# Allegro board IMC-IO_A-IN_A1.brd (continued)
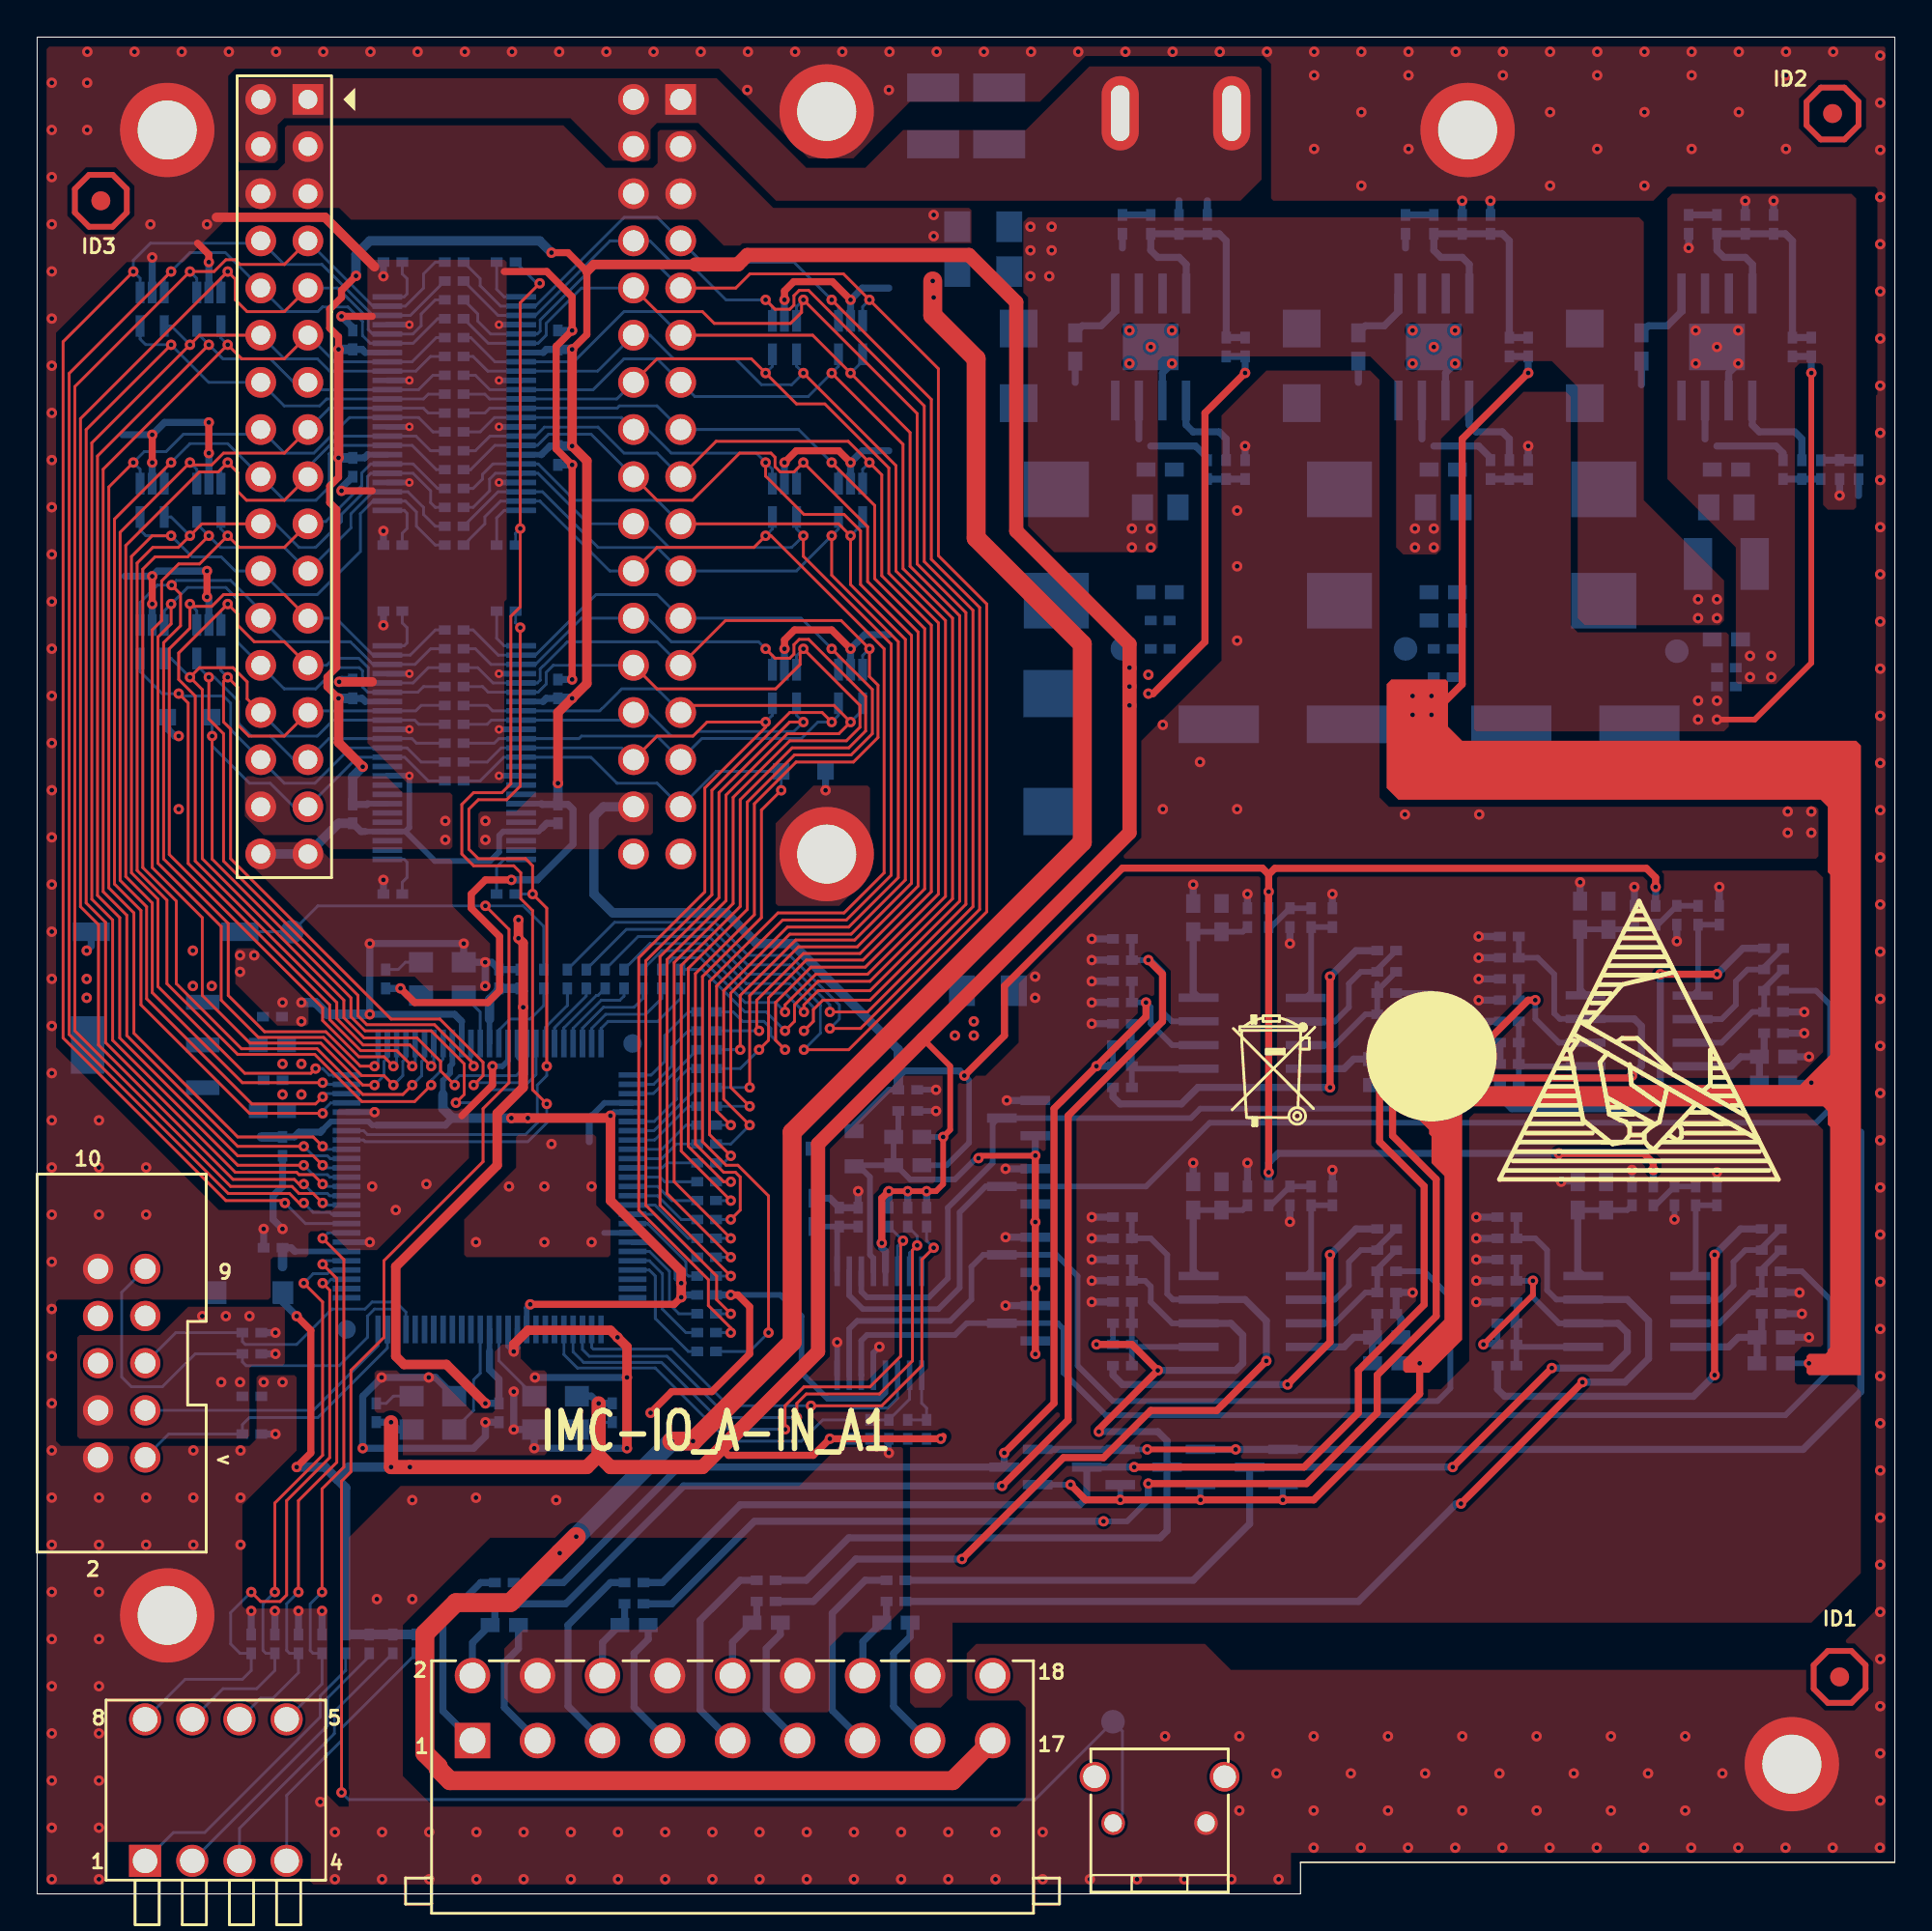
[diagram p0: board, top side]
## Footprints (pads in the part's own frame, mm; a bottom-side part is the same pattern mirrored in y, then rotated)
AEC8_5X8_5-H10_5
  rect 4.318x2.032 smd: 1(-3.45,0) 2(3.45,0)
BUTTON_SPST_SMT
  rect 1.999x1.001 smd: 1(-4.201,0) 2(3.8,0)
C0402
  rect 0.64x0.51 smd: 1(-0.508,0) 2(0.508,0)
C0603
  rect 1.016x0.762 smd: 1(-0.762,0) 2(0.762,0)
C0805
  rect 1.143x1.397 smd: 1(-0.953,0) 2(0.953,0)
C1210
  rect 1.524x2.794 smd: 1(-1.524,0) 2(1.524,0)
CAP_CASE_D
  rect 2.54x3.556 smd: 1(3.175,0) 2(-3.175,0)
CON18-3_5-34_3X13_6-H15_2
  rect 1.905x1.905 hole 1.397: 1(-14,-1.905)
  round 1.905 hole 1.397: 2(-14,1.595) 3(-10.5,-1.905) 4(-10.5,1.595) 5(-7,-1.905) 6(-7,1.595) 7(-3.5,-1.905) 8(-3.5,1.595) 9(0,-1.905) 10(0,1.595) 11(3.5,-1.905) 12(3.5,1.595) 13(7,-1.905) 14(7,1.595) 15(10.5,-1.905) 16(10.5,1.595) 17(14,-1.905) 18(14,1.595)
CON_2D54_2X5_TH_BOX
  round 1.626 hole 1.118: 1(5.08,1.27) 2(5.08,-1.27) 3(2.54,1.27) 4(2.54,-1.27) 5(0,1.27) 6(0,-1.27) 7(-2.54,1.27) 8(-2.54,-1.27) 9(-5.08,1.27) 10(-5.08,-1.27)
CON_BUTTON_SPST_TH_90
  round 1.27 hole 0.94: 1(-2.5,0) 2(2.5,0)
  round 1.6 hole 1.219: 3(3.5,2.5) 4(-3.5,2.5)
FEMALE_HEADER_17X2P_254MM
  rect 1.651x1.651 hole 1.016: 1(0,0)
  round 1.651 hole 1.016: 2(-2.54,0) 3(0,-2.54) 4(-2.54,-2.54) 5(0,-5.08) 6(-2.54,-5.08) 7(0,-7.62) 8(-2.54,-7.62) 9(0,-10.16) 10(-2.54,-10.16) 11(0,-12.7) 12(-2.54,-12.7) 13(0,-15.24) 14(-2.54,-15.24) 15(0,-17.78) 16(-2.54,-17.78) 17(0,-20.32) 18(-2.54,-20.32) 19(0,-22.86) 20(-2.54,-22.86) 21(0,-25.4) 22(-2.54,-25.4) 23(0,-27.94) 24(-2.54,-27.94) 25(0,-30.48) 26(-2.54,-30.48) 27(0,-33.02) 28(-2.54,-33.02) 29(0,-35.56) 30(-2.54,-35.56) 31(0,-38.1) 32(-2.54,-38.1) 33(0,-40.64) 34(-2.54,-40.64)
HD2X17-2_54-50_8X9_1MM-S
  rect 1.651x1.651 hole 1.143: 1(-20.32,-1.27)
  round 1.651 hole 1.143: 2(-20.32,1.27) 3(-17.78,-1.27) 4(-17.78,1.27) 5(-15.24,-1.27) 6(-15.24,1.27) 7(-12.7,-1.27) 8(-12.7,1.27) 9(-10.16,-1.27) 10(-10.16,1.27) 11(-7.62,-1.27) 12(-7.62,1.27) 13(-5.08,-1.27) 14(-5.08,1.27) 15(-2.54,-1.27) 16(-2.54,1.27) 17(0,-1.27) 18(0,1.27) 19(2.54,-1.27) 20(2.54,1.27) 21(5.08,-1.27) 22(5.08,1.27) 23(7.62,-1.27) 24(7.62,1.27) 25(10.16,-1.27) 26(10.16,1.27) 27(12.7,-1.27) 28(12.7,1.27) 29(15.24,-1.27) 30(15.24,1.27) 31(17.78,-1.27) 32(17.78,1.27) 33(20.32,-1.27) 34(20.32,1.27)
L7D3X6D6X2D8MM
  rect 3x3.5 smd: 1(-3,0) 2(3,0)
L0603
  rect 1.016x0.762 smd: 1(-0.762,0) 2(0.762,0)
METAL_DOME
  oval 2x4 hole 1x3: 1(0,0) 2(6,0)
MHOLE_C200D125
  round 5.08 hole 3.175: 1(0,0)
QFP_100P_50_1600X1600X160
  round 1 smd: (-7.7,-7.7) (7.7,7.7)
  rect 1.5x0.3 smd: 1(-7.7,6) 2(-7.7,5.5) 3(-7.7,5) 4(-7.7,4.5) 5(-7.7,4) 6(-7.7,3.5) 7(-7.7,3) 8(-7.7,2.5) 9(-7.7,2) 10(-7.7,1.5) 11(-7.7,1) 12(-7.7,0.5) 13(-7.7,0) 14(-7.7,-0.5) 15(-7.7,-1) 16(-7.7,-1.5) 17(-7.7,-2) 18(-7.7,-2.5) 19(-7.7,-3) 20(-7.7,-3.5) 21(-7.7,-4) 22(-7.7,-4.5) 23(-7.7,-5) 24(-7.7,-5.5) 25(-7.7,-6) 51(7.7,-6) 52(7.7,-5.5) 53(7.7,-5) 54(7.7,-4.5) 55(7.7,-4) 56(7.7,-3.5) 57(7.7,-3) 58(7.7,-2.5) 59(7.7,-2) 60(7.7,-1.5) 61(7.7,-1) 62(7.7,-0.5) 63(7.7,0) 64(7.7,0.5) 65(7.7,1) 66(7.7,1.5) 67(7.7,2) 68(7.7,2.5) 69(7.7,3) 70(7.7,3.5) 71(7.7,4) 72(7.7,4.5) 73(7.7,5) 74(7.7,5.5) 75(7.7,6)
  rect 0.3x1.5 smd: 26(-6,-7.7) 27(-5.5,-7.7) 28(-5,-7.7) 29(-4.5,-7.7) 30(-4,-7.7) 31(-3.5,-7.7) 32(-3,-7.7) 33(-2.5,-7.7) 34(-2,-7.7) 35(-1.5,-7.7) 36(-1,-7.7) 37(-0.5,-7.7) 38(0,-7.7) 39(0.5,-7.7) 40(1,-7.7) 41(1.5,-7.7) 42(2,-7.7) 43(2.5,-7.7) 44(3,-7.7) 45(3.5,-7.7) 46(4,-7.7) 47(4.5,-7.7) 48(5,-7.7) 49(5.5,-7.7) 50(6,-7.7) 76(6,7.7) 77(5.5,7.7) 78(5,7.7) 79(4.5,7.7) 80(4,7.7) 81(3.5,7.7) 82(3,7.7) 83(2.5,7.7) 84(2,7.7) 85(1.5,7.7) 86(1,7.7) 87(0.5,7.7) 88(0,7.7) 89(-0.5,7.7) 90(-1,7.7) 91(-1.5,7.7) 92(-2,7.7) 93(-2.5,7.7) 94(-3,7.7) 95(-3.5,7.7) 96(-4,7.7) 97(-4.5,7.7) 98(-5,7.7) 99(-5.5,7.7) 100(-6,7.7)
R0402
  rect 0.64x0.51 smd: 1(-0.508,0) 2(0.508,0)
R0603
  rect 1.016x0.762 smd: 1(-0.762,0) 2(0.762,0)
R1206
  rect 1.397x1.651 smd: 1(-1.397,0) 2(1.397,0)
SMA
  rect 2.032x2.032 smd: 1(-2.007,0) 2(2.007,0)
SMD_3225
  rect 1.3x1.1 smd: 1(-1.15,-0.9) 2(1.15,-0.9) 3(1.15,0.9) 4(-1.15,0.9)
SOD323
  rect 0.889x0.889 smd: 1(-1.194,0) 2(1.194,0)
SOD-123LF
  rect 1.118x1.219 smd: 1(-1.8,0) 2(1.8,0)
SON8_DDA8
  rect 2.149x0.45 smd: 1(-2.88,1.91) 2(-2.88,0.64) 3(-2.88,-0.64) 4(-2.88,-1.91) 5(2.88,-1.9) 6(2.88,-0.63) 7(2.88,0.64) 8(2.88,1.91)
  rect 2.499x3 smd: 9(0,0)
SOP_8P_127_500X600X175
  rect 2.149x0.45 smd: 1(-2.88,1.91) 2(-2.88,0.64) 3(-2.88,-0.64) 4(-2.88,-1.91) 5(2.88,-1.9) 6(2.88,-0.63) 7(2.88,0.64) 8(2.88,1.91)
SOT23-3_DBZ3
  rect 1.6x0.5 smd: 1(0.9,-0.95) 2(0.9,0.95) 3(-0.9,0)
SOT23_3P_304X264X112
  rect 0.762x1.016 smd: 1(-0.95,-1.05) 2(0.95,-1.05) 3(0,1.05)
SOT223-4_DCY4
  rect 1.8x0.8 smd: 1(-3.1,2.3) 2(-3.1,0) 3(-3.1,-2.3)
  rect 1.8x3.1 smd: 4(3.1,0)
SOT353
  rect 0.483x1.168 smd: 1(-0.65,-0.9) 2(0,-0.9) 3(0.65,-0.9) 4(0.65,0.9) 5(-0.65,0.9)
SW8-2_54-11_82X12_1-H9_7
  rect 1.727x1.727 hole 1.321: 1(-3.81,-3.81)
  round 1.727 hole 1.321: 2(-1.27,-3.81) 3(1.27,-3.81) 4(3.81,-3.81) 5(3.81,3.81) 6(1.27,3.81) 7(-1.27,3.81) 8(-3.81,3.81)
TP50
  round 1.27 smd: 1(0,0)
TSSOP48_DGG48
  rect 1.6x0.3 smd: 1(-3.6,5.75) 2(-3.6,5.25) 3(-3.6,4.75) 4(-3.6,4.25) 5(-3.6,3.75) 6(-3.6,3.25) 7(-3.6,2.75) 8(-3.6,2.25) 9(-3.6,1.75) 10(-3.6,1.25) 11(-3.6,0.75) 12(-3.6,0.25) 13(-3.6,-0.25) 14(-3.6,-0.75) 15(-3.6,-1.25) 16(-3.6,-1.75) 17(-3.6,-2.25) 18(-3.6,-2.75) 19(-3.6,-3.25) 20(-3.6,-3.75) 21(-3.6,-4.25) 22(-3.6,-4.75) 23(-3.6,-5.25) 24(-3.6,-5.75) 25(3.6,-5.75) 26(3.6,-5.25) 27(3.6,-4.75) 28(3.6,-4.25) 29(3.6,-3.75) 30(3.6,-3.25) 31(3.6,-2.75) 32(3.6,-2.25) 33(3.6,-1.75) 34(3.6,-1.25) 35(3.6,-0.75) 36(3.6,-0.25) 37(3.6,0.25) 38(3.6,0.75) 39(3.6,1.25) 40(3.6,1.75) 41(3.6,2.25) 42(3.6,2.75) 43(3.6,3.25) 44(3.6,3.75) 45(3.6,4.25) 46(3.6,4.75) 47(3.6,5.25) 48(3.6,5.75)
TSSOP_16P_65_633X790X199MM
  rect 1.6x0.3 smd: 1(-2.8,2.275) 2(-2.8,1.625) 3(-2.8,0.975) 4(-2.8,0.325) 5(-2.8,-0.325) 6(-2.8,-0.975) 7(-2.8,-1.625) 8(-2.8,-2.275) 9(2.8,-2.275) 10(2.8,-1.625) 11(2.8,-0.975) 12(2.8,-0.325) 13(2.8,0.325) 14(2.8,0.975) 15(2.8,1.625) 16(2.8,2.275)
unnamed#2
  round 1.016 smd: 1(0,0)

## Nets
AGND: C88.1 C89.2 C90.2 C91.2 C92.2 C93.2 C94.2 C96.2 C97.2 C98.2 C99.2 C100.2 C101.2 C102.2 C103.2 C105.2 C106.2 C107.2 C108.2 C109.2 C110.2 C111.2 C112.2 C114.2 C115.2 C116.2 C117.2 C118.2 C119.2 C120.2 C121.2 C123.2 C124.2 C125.2 C126.2 C127.2 C128.2 D24.1 D26.1 D28.1 D30.1 J2.16 R209.1 R214.2 R220.2 R221.2 R223.2 R228.2 R234.2 R235.2 R237.2 R242.2 R248.2 R249.2 R251.2 R256.2 R262.2 R263.2 R265.2 U25.3(GND) U26.5(AGND) U26.8(REFN)
GND: C2.2 C4.2 C5.2 C6.2 C7.2 C8.2 C9.2 C11.2 C12.2 C13.2 C14.2 C15.2 C16.2 C17.2 C18.2 C19.2 C20.2 C21.2 C22.2 C23.2 C24.2 C25.2 C26.2 C27.2 C28.2 C29.2 C62.2 C63.2 C65.2 C67.2 C70.2 C71.2 C72.2 C73.2 C75.2 C76.1 C80.2 C81.1 C82.1 C83.1 C84.2 C85.2 C86.2 C87.1 CON1.2 CON1.10 D1.1(ANODE) D18.2 D19.2 D20.1(ANODE) D21.1(ANODE) H1.1 H2.1 H3.1 H4.1 H5.1 H6.1 J2.4 J2.8 J2.12 J3.33 J3.34 J4.33 J4.34 L3.2 OSC1.2(GND) OSC2.2(GND) OSC3.2(GND) P1.1(GND#1) P1.10(GND#10) P1.11(GND#11) P1.32(GND#32) P1.46(GND#46) P1.60(GND#60) P1.65(GND#65) P1.79(GND#79) P1.93(GND#93) R4.2 R5.2 R6.2 R9.2 R42.2 R43.2 R44.2 R45.2 R134.1 R137.1 R139.1 R141.1 R162.2 R163.2 R164.2 R167.1 R173.1 R207.1 R208.1 R209.2 RST1.2 SW1.1 TP5.1 U1.6(GND) U1.9(PWPD) U2.1(GND/ADJ) U7.4(GND#4) U7.10(GND#10) U7.15(GND#15) U7.21(GND#21) U7.28(GND#28) U7.34(GND#34) U7.39(GND#39) U7.45(GND#45) U8.4(GND#4) U8.10(GND#10) U8.15(GND#15) U8.21(GND#21) U8.28(GND#28) U8.34(GND#34) U8.39(GND#39) U8.45(GND#45) U9.2 U10.2 U11.2 U12.2 U13.2 U14.2 U15.2 U16.2 U17.2 U18.2 U19.2 U20.2 U22.6(GND) U22.9(PWPD) U26.4(DGND)
GND_24V: C62.1 C63.1 J3.1 J3.2 J3.4 J4.1 J4.2 J4.4 J5.1 J5.2
VDD_1V8: C13.1 C14.1 C18.1 C19.1 C20.1 P1.13(VCCINT#13) P1.63(VCCINT#63) U2.2(VOUT) U2.4(TAB)
VDD_3V3: C2.1 C3.1 C4.1 C5.1 C6.1 C22.1 C23.1 C24.1 C25.1 C26.1 C27.1 C28.1 C29.1 D22.1(ANODE) FB2.1 L1.2 OSC1.4(VDD) OSC2.4(VDD) OSC3.4(VDD) R1.1 R35.1 R36.2 R37.2 R38.2 R39.1 R40.1 R41.1 R201.1 R202.1 R203.1 R204.1 R205.2 R206.1 TP1.1 U7.7(VCCB#7) U7.18(VCCB#18) U7.31(VCCA#31) U7.42(VCCA#42) U8.7(VCCB#7) U8.18(VCCB#18) U8.31(VCCA#31) U8.42(VCCA#42) U26.13(DVDD)
VDD_3V3_FPGA: C11.1 C12.1 C15.1 C16.1 C17.1 C21.1 CON1.4 D22.2(CATHODE) P1.9(VCCIO1#9) P1.31(VCCIO1#31) P1.45(VCCIO1#45) P1.59(VCCIO2#59) P1.80(VCCIO2#80) P1.94(VCCIO2#94) R7.2 R8.2 U2.3(VIN)
VDD_5V_MAIN: C88.2 FB1.1 J3.32 J4.32 R217.2 R231.2 R245.2 R259.2 U25.1(IN)
VDD_24V: J3.3 J3.5 J3.6 J4.3 J4.5 J4.6 R199.1
VDD_24V_IO: J2.17 R200.1
VDD_24V_MAIN: C7.1 C9.1 C65.1 C70.1 C75.1 C80.1 C84.1 R2.1 R160.1 R166.1 R199.2 R200.2 U1.7(VIN) U22.7(VIN) U24.7(VIN)
VDD_+15V: C66.1 C71.1 C72.1 C73.1 C85.1 C86.1 D23.2 D25.2 D27.2 D29.2 FB4.2 FB6.2 FB8.2 FB10.2 L2.2 R161.1 TP4.1
VDD_-15V: C77.2 C81.2 C82.2 C83.2 C87.2 D23.1 D25.1 D27.1 D29.1 FB3.2 FB5.2 FB7.2 FB9.2 R168.2 R169.2 R172.2 U24.6(GND) U24.9(PWPD)
VIN0+: J2.1 R212.2
VIN1+: J2.5 R226.2
VIN2+: J2.9 R240.2
VIN3+: J2.13 R254.2
1DIR: P1.43(IO_1_43/DEV_OE/DIFFIO_B8P) R145.1 R147.1
2DIR: P1.44(IO_1_44/DEV_CLRN/DIFFIO_B5N) R140.1 R148.1
12MHZ: OSC1.3(OUT) P1.12(IO_1_12/CLK0)
25MHZ: OSC2.3(OUT) P1.14(IO_1_14/CLK1)
48MHZ: OSC3.3(OUT) P1.62(IO_2_62/CLK2)
ADC_DRDY: P1.4(IO_1_4/DIFFIO_L2P) R204.2 U26.14(D\R\D\Y\)
ADC_RST: P1.5(IO_1_5/DIFFIO_L2N) R203.2 U26.3(R\E\S\E\T\)
ADC_SCL: P1.2(IO_1_2/DIFFIO_L1P) R201.2 U26.16(SCL)
ADC_SDA: P1.3(IO_1_3/DIFFIO_L1N) R202.2 U26.15(SDA)
AIN0: D24.3 R216.1 U26.11(AIN0)
AIN1: D26.3 R230.1 U26.10(AIN1)
AIN2: D28.3 R244.1 U26.7(AIN2)
AIN3: D30.3 R258.1 U26.6(AIN3)
COM: J2.18
DEV_ADD0: P1.28(IO_1_28/DIFFIO_B2P) R45.1 SW2.8(B5)
DEV_ADD1: P1.29(IO_1_29/DIFFIO_B2N) R44.1 SW2.7(B6)
DEV_ADD2: P1.30(IO_1_30/DIFFIO_B3P) R43.1 SW2.6(A6)
DEV_ADD3: P1.33(IO_1_33/DIFFIO_B3N) R42.1 SW2.5(A5)
EX_ADD0: J4.26 R20.2 R153.2 U8.6(1B4) U20.3
EX_ADD1: J4.27 R22.2 R154.2 U8.8(1B5) U19.4
EX_ADD2: J4.28 R24.2 R155.2 U8.9(1B6) U20.4
EX_ADD3: J4.29 R26.2 R156.2 U8.11(1B7) U19.5
EX_ADD4: J4.30 R28.2 R157.2 U8.12(1B8) U20.5
EX_ADD5: D19.1 J4.31 R30.2 R158.2 U8.13(2B1)
EX_CS: J4.23 R17.2 R150.2 U8.2(1B1) U19.1
EX_DATA0: J4.7 R21.2 R126.2 U7.2(1B1) U11.1
EX_DATA1: J4.8 R23.2 R127.2 U7.3(1B2) U12.1
EX_DATA2: J4.9 R25.2 R128.2 U7.5(1B3) U11.3
EX_DATA3: J4.10 R27.2 R129.2 U7.6(1B4) U12.3
EX_DATA4: J4.11 R29.2 R130.2 U7.8(1B5) U11.4
EX_DATA5: J4.12 R31.2 R131.2 U7.9(1B6) U12.4
EX_DATA6: J4.13 R32.2 R132.2 U7.11(1B7) U11.5
EX_DATA7: J4.14 R33.2 R133.2 U7.12(1B8) U12.5
EX_DATA8: J4.15 R34.2 R135.2 U7.13(2B1) U15.1
EX_DATA9: J4.16 R10.2 R136.2 U7.14(2B2) U16.1
EX_DATA10: J4.17 R11.2 R138.2 U7.16(2B3) U15.3
EX_DATA11: J4.18 R12.2 R142.2 U7.17(2B4) U16.3
EX_DATA12: J4.19 R13.2 R143.2 U7.19(2B5) U15.4
EX_DATA13: J4.20 R14.2 R144.2 U7.20(2B6) U16.4
EX_DATA14: J4.21 R15.2 R146.2 U7.22(2B7) U15.5
EX_DATA15: J4.22 R16.2 R149.2 U7.23(2B8) U16.5
EX_RD: J4.24 R18.2 R151.2 U8.3(1B2) U20.1
EX_WR: J4.25 R19.2 R152.2 U8.5(1B3) U19.3
F_EX_ADD0: J3.26 P1.54(IO_2_54/DIFFIO_R7P) R153.1 U8.43(1A4) U18.3
F_EX_ADD1: J3.27 P1.67(IO_2_67/DIFFIO_R4P) R154.1 U8.41(1A5) U17.4
F_EX_ADD2: J3.28 P1.66(IO_2_66/DIFFIO_R4N) R155.1 U8.40(1A6) U18.4
F_EX_ADD3: J3.29 P1.61(IO_2_61) R156.1 U8.38(1A7) U17.5
F_EX_ADD4: J3.30 P1.55(IO_2_55/DIFFIO_R6N) R157.1 U8.37(1A8) U18.5
F_EX_ADD5: D18.1 J3.31 P1.68(IO_2_68/DIFFIO_R3N) R158.1 U8.36(2A1)
F_EX_CS: J3.23 P1.53(IO_2_53/DIFFIO_R7N) R150.1 U8.47(1A1) U17.1
F_EX_DATA0: J3.7 P1.36(IO_1_36/DIFFIO_B5P) R126.1 U7.47(1A1) U9.1
F_EX_DATA1: J3.8 P1.34(IO_1_34/DIFFIO_B4P) R127.1 U7.46(1A2) U10.1
F_EX_DATA2: J3.9 P1.37(IO_1_37/DIFFIO_B5N) R128.1 U7.44(1A3) U9.3
F_EX_DATA3: J3.10 P1.35(IO_1_35/DIFFIO_B4N) R129.1 U7.43(1A4) U10.3
F_EX_DATA4: J3.11 P1.41(IO_1_41/DIFFIO_B7P) R130.1 U7.41(1A5) U9.4
F_EX_DATA5: J3.12 P1.39(IO_1_39/DIFFIO_B6P) R131.1 U7.40(1A6) U10.4
F_EX_DATA6: J3.13 P1.40(IO_1_40/DIFFIO_B6N) R132.1 U7.38(1A7) U9.5
F_EX_DATA7: J3.14 P1.38(IO_1_38) R133.1 U7.37(1A8) U10.5
F_EX_DATA8: J3.15 P1.48(IO_1_48/DIFFIO_B9N) R135.1 U7.36(2A1) U13.1
F_EX_DATA9: J3.16 P1.42(IO_1_42/DIFFIO_B7N) R136.1 U7.35(2A2) U14.1
F_EX_DATA10: J3.17 P1.49(IO_1_49) R138.1 U7.33(2A3) U13.3
F_EX_DATA11: J3.18 P1.47(IO_1_47/DIFFIO_B9P) R142.1 U7.32(2A4) U14.3
F_EX_DATA12: J3.19 P1.52(IO_2_52) R143.1 U7.30(2A5) U13.4
F_EX_DATA13: J3.20 P1.58(IO_2_58/DIFFIO_R5P) R144.1 U7.29(2A6) U14.4
F_EX_DATA14: J3.21 P1.56(IO_2_56/DIFFIO_R6P) R146.1 U7.27(2A7) U13.5
F_EX_DATA15: J3.22 P1.50(IO_1_50/DIFFIO_B10P) R149.1 U7.26(2A8) U14.5
F_EX_RD: J3.24 P1.51(IO_1_51/DIFFIO_B10N) R151.1 U8.46(1A2) U18.1
F_EX_WR: J3.25 P1.57(IO_2_57/DIFFIO_R5N) R152.1 U8.44(1A3) U17.3
F_JTAG_TCK: CON1.1 P1.24(TCK) R9.1
F_JTAG_TDI: CON1.9 P1.23(TDI) R8.1
F_JTAG_TDO: CON1.3 P1.25(TDO)
F_JTAG_TMS: CON1.5 P1.22(TMS) R7.1
IIC_ADD0: R205.1 R207.2 U26.1(A0)
IIC_ADD1: R206.2 R208.2 U26.2(A1)
IIN0+: J2.3 R219.1
IIN1+: J2.7 R233.1
IIN2+: J2.11 R247.1
IIN3+: J2.15 R261.1
RESET IN: R159.1 RST1.1 SW1.2 TP2.1 TP3.1
V/IIN0-: J2.2 R219.2 R222.2
V/IIN1-: J2.6 R233.2 R236.2
V/IIN2-: J2.10 R247.2 R250.2
V/IIN3-: J2.14 R261.2 R264.2
VREF_ADC: C89.1 D24.2 D26.2 D28.2 D30.2 FB1.2 FB2.2 U25.2(OUT) U26.12(AVDD)
VREF_DAC: C90.1 C91.1 C92.1 U26.9(REFP)
N12518223: C100.1 C101.1 FB4.1 U27.8(VCC+)
N12518251: C95.1 C96.1 D23.3 R212.1 R213.2 R214.1 U27.2(1IN-)
N12518351: C99.1 R222.1 R223.1 U27.3(1IN+)
N12518743: C95.2 C97.1 R213.1 R215.2 U27.1(1OUT)
N12518865: C93.1 C94.1 FB3.1 U27.4(VCC-)
N12518887: R210.2 R215.1
N12532089: R218.1 R221.1 U27.5(2IN+)
N12532253: R217.1 R218.2 R220.1
N12532462: R210.1 R211.2 U27.6(2IN-)
N12532476: C98.1 R211.1 R216.2 U27.7(2OUT)
N12534114: C104.2 C106.1 R227.1 R229.2 U28.1(1OUT)
N12534118: C104.1 C105.1 D25.3 R226.1 R227.2 R228.1 U28.2(1IN-)
N12534134: C109.1 C110.1 FB6.1 U28.8(VCC+)
N12534254: C108.1 R236.1 R237.1 U28.3(1IN+)
N12534496: C102.1 C103.1 FB5.1 U28.4(VCC-)
N12534752: R224.2 R229.1
N12534854: R232.1 R235.1 U28.5(2IN+)
N12534908: R231.1 R232.2 R234.1
N12535022: R224.1 R225.2 U28.6(2IN-)
N12535042: C107.1 R225.1 R230.2 U28.7(2OUT)
N12538562: C113.2 C115.1 R241.1 R243.2 U29.1(1OUT)
N12538566: C113.1 C114.1 D27.3 R240.1 R241.2 R242.1 U29.2(1IN-)
N12538582: C118.1 C119.1 FB8.1 U29.8(VCC+)
N12538702: C117.1 R250.1 R251.1 U29.3(1IN+)
N12538944: C111.1 C112.1 FB7.1 U29.4(VCC-)
N12539200: R238.2 R243.1
N12539302: R246.1 R249.1 U29.5(2IN+)
N12539356: R245.1 R246.2 R248.1
N12539470: R238.1 R239.2 U29.6(2IN-)
N12539490: C116.1 R239.1 R244.2 U29.7(2OUT)
N12539666: C122.1 C123.1 D29.3 R254.1 R255.2 R256.1 U30.2(1IN-)
N12539678: C122.2 C124.1 R255.1 R257.2 U30.1(1OUT)
N12539690: C127.1 C128.1 FB10.1 U30.8(VCC+)
N12539814: C126.1 R264.1 R265.1 U30.3(1IN+)
N12540068: C120.1 C121.1 FB9.1 U30.4(VCC-)
N12540324: R252.2 R257.1
N12540414: R260.1 R263.1 U30.5(2IN+)
N12540468: R259.1 R260.2 R262.1
N12540582: R252.1 R253.2 U30.6(2IN-)
N12540610: C125.1 R253.1 R258.2 U30.7(2OUT)
N12573767: R2.2 R3.2 R5.1
N12573771: C10.2 R6.1
N12573779: C3.2 C8.1 C10.1 R1.2 R4.1 U1.4(VSNS)
N12573801: C1.1 U1.1(BOOT)
N12573805: C1.2 D1.2(CATHODE) L1.1 U1.8(PH)
N12573855: R3.1 U1.5(ENA)
N12573911: R160.2 R164.1 R165.2
N12573913: C68.2 R163.1
N12573919: C66.2 C67.1 C68.1 R161.2 R162.1 U22.4(VSNS)
N12573941: C69.1 U22.1(BOOT)
N12573945: C69.2 D20.2(CATHODE) L2.1 U22.8(PH)
N12573995: R165.1 U22.5(ENA)
N12574023: R170.2 R172.1 R173.2
N12574025: R166.2 R170.1 R171.2
N12574027: C78.2 R169.1
N12574031: C76.2 C77.1 C78.1 R167.2 R168.1 U24.4(VSNS)
N12574055: C79.2 D21.2(CATHODE) L3.1 U24.8(PH)
N12574061: C79.1 U24.1(BOOT)
N12574107: R171.1 U24.5(ENA)
N12576723: P1.81(IO_2_81/DIFFIO_T8N) R11.1
N12576725: P1.83(IO_2_83/DIFFIO_T7N) R13.1
N12576727: P1.78(IO_2_78/DIFFIO_T9P) R10.1
N12576729: P1.84(IO_2_84/DIFFIO_T7P) R14.1
N12576731: P1.82(IO_2_82/DIFFIO_T8P) R12.1
N12576801: OSC1.1(CE) R36.1
N12576819: OSC2.1(CE) R37.1
N12576847: OSC3.1(CE) R38.1
N12576923: R35.2 SW2.1(A1)
N12576925: R39.2 SW2.2(A2)
N12576927: R40.2 SW2.3(A3)
N12576929: R41.2 SW2.4(A4)
N12576947: P1.88(IO_2_88/DIFFIO_T5P) R18.1
N12576949: P1.91(IO_2_91) R22.1
N12576951: P1.96(IO_2_96/DIFFIO_T2N) R28.1
N12576953: P1.87(IO_2_87/DIFFIO_T5N) R17.1
N12576955: P1.90(IO_2_90/DIFFIO_T4P) R20.1
N12576957: P1.95(IO_2_95/DIFFIO_T3P) R26.1
N12576959: P1.86(IO_2_86/DIFFIO_T6P) R16.1
N12576961: P1.89(IO_2_89/DIFFIO_T4N) R19.1
N12576963: P1.85(IO_2_85/DIFFIO_T6N) R15.1
N12576965: P1.92(IO_2_92/DIFFIO_T3N) R24.1
N12576967: P1.97(IO_2_97/DIFFIO_T2P) R30.1
N12577019: P1.74(IO_2_74/DIFFIO_R1P) R31.1
N12577021: P1.75(IO_2_75/DIFFIO_T10N) R32.1
N12577023: P1.77(IO_2_77/DIFFIO_T9N) R34.1
N12577025: P1.76(IO_2_76/DIFFIO_T10P) R33.1
N12577027: P1.73(IO_2_73/DIFFIO_R1N) R29.1
N12577029: P1.71(IO_2_71/DIFFIO_R2N) R25.1
N12577031: P1.69(IO_2_69/DIFFIO_R3P) R21.1
N12577033: P1.72(IO_2_72/DIFFIO_R2P) R27.1
N12577035: P1.70(IO_2_70) R23.1
N12577037: P1.64(IO_2_64/CLK3) R159.2
N12581072: R145.2 U7.1(1DIR)
N12581074: R147.2 U7.24(2DIR)
N12581258: R139.2 U8.25(2NOE)
N12581262: R140.2 U8.1(1DIR)
N12581264: R148.2 U8.24(2DIR)
N12581296: R134.2 U7.48(1NOE)
N12581298: R141.2 U7.25(2NOE)
N12581306: R137.2 U8.48(1NOE)

Pads without a net: CON1 6 7 8; NOREF#7 1; NOREF#8 1; NOREF#13 1; NOREF#16 1; NOREF#17 1; NOREF#18 1; P1 6 7 8 15 16 17 18 19 20 21 26 27 98 99 100; RST1 3 4; U1 2 3; U8 14 16 17 19 20 22 23 26 27 29 30 32 33 35; U22 2 3; U24 2 3

## Via types
v1: diameter 0.559, hole 0.254, TOP to BOTTOM, 686 vias
v2: diameter 0.457, hole 0.203, TOP to BOTTOM, 14 vias

## Routing (per net, layer and track width the routed paths; a pad name or vN(x,y) marks a point on that pad's centre or on a via; arc(x,y) is an arc through that point)
AGND: length 68.9
  BOTTOM w0.305: U26.8 v1(43.06,29.71) ; R262.2 v1(88.14,36.32) ; C89.2 v1(48.39,42.16) ; v1(45.34,29.46) 45.01,29.14 U26.5 ; C88.1 v1(48.39,43.31) ; C121.2 v1(85.85,38.99) ; R263.2 v1(90.42,38.86) ; C120.2 v1(82.04,38.35)
  BOTTOM w0.381: D28.1 v1(52.13,35.37) ; C115.2 v1(56.77,31.88) ; R214.2 v1(56.77,49.15) ; C106.2 v1(77.6,46.99) ; C99.2 v1(56.77,50.29) ; R234.2 v1(88.27,51.31) ; C96.2 v1(56.77,48.01) ; C117.2 v1(56.77,35.31) ; C119.2 73.41,30.99 C118.2 C116.2 v1(74.04,32.38) ; R256.2 v1(77.47,34.16) ; C114.2 v1(56.77,33.02) ; D26.1 v1(52.13,39.05) ; C123.2 v1(77.47,33.02) ; D24.1 v1(52.2,42.73) ; U25.3 41.88,37.5 C92.2 42.67,37.47 C90.2 C91.2 v1(44.2,37.85) ; R242.2 v1(56.77,34.16) ; v1(74.04,46.23) C100.2 73.41,45.97 C101.2 ; C109.2 v1(95.12,46.35) ; C94.2 v1(65.15,53.85) ; R251.2 v1(56.77,36.45) ; C125.2 v1(94.87,32.38) ; R228.2 v1(77.6,49.28) ; D30.1 v1(52.13,31.68) ; C97.2 v1(56.77,46.86) ; C102.2 v1(83.06,54.48) ; R220.2 v1(67.44,51.18) ; C128.2 v1(95.38,29.97) ; R221.2 v1(69.72,53.85) ; C105.2 v1(77.6,48.13) ; R223.2 v1(56.77,51.44) ; C110.2 v1(95.38,45.09) ; C126.2 v1(77.47,35.31) ; R265.2 v1(77.47,36.45) ; C98.2 v1(74.04,47.37) ; C124.2 v1(77.47,31.88) ; C111.2 v1(62.23,39.37) ; C103.2 v1(85.98,54.23) ; R235.2 v1(90.55,54.23) ; C112.2 v1(65.15,39.37) ; R248.2 v1(67.44,36.2) ; C127.2 v1(95,31.24) ; C108.2 v1(77.6,50.42) ; C93.2 v1(62.23,54.36) ; R237.2 v1(77.6,51.56) ; C107.2 v1(95.12,47.5) ; R249.2 v1(69.72,38.99)
  vias: v1(53.72,49.4) v1(53.72,48.26)
GND: length 305.7
  TOP w0.305: v1(95.5,81.92) 95.5,66.29 92.46,63.25 v1(90.42,63.25)
  TOP w0.381: v1(9.24,77.6) v1(9.24,79.25) ; 25.15,87.38 27.43,87.38 28.8,86.01 v1(28.8,84.2) 27.94,83.34 27.94,77.82 v1(28.8,76.96) v1(28.8,65.41) ; v1(16.38,84.96) 18.03,84.96 ; v1(6.19,78.58) v1(6.19,77.09) ; v1(43.79,85.85) 42.81,86.83 40.73,86.83 40.23,86.33 v1(40.23,85.85) ; v1(40.23,67.06) 40.23,67.53 40.77,68.07 42.77,68.07 v1(43.79,67.06) ; v1(24.51,44.58) 24.51,43.56 22.86,41.91 ; v1(16.38,75.56) 18.03,75.56 ; v1(40.23,77.09) 40.86,77.72 43.15,77.72 v1(43.79,77.09) ; v1(9.14,69.85) v1(9.14,71.25) ; v1(33.02,25.91) 34.16,27.05 36.32,27.05 38.35,29.08 38.35,31.62 37.72,32.26 v1(37.34,32.26) ; v1(9.24,87.88) 9.24,88.29 8.64,88.9 ; v1(6.19,70.96) v1(6.19,69.47)
  TOP w0.508: v1(16.26,65.28) 18.03,65.28 ; v1(25.65,29.21) 25.65,29.59 26.42,30.35 30.86,30.35 v1(31.24,29.97) 31.75,29.46 v1(31.75,27.81) v1(31.75,24) ; 9.65,90.3 15.49,90.3 18.16,87.63
  BOTTOM w0.305: U8.4 v2(24.86,65.72) ; 22.85,46.99 P1.60 ; 19.82,57.22 U8.28 17.65,57.22 ; 19.82,57.22 20.04,57.43 v2(20.04,60.22) U8.34 ; 19.82,57.22 21.41,55.63 24.38,55.63 24.87,56.11 24.87,57 25.09,57.22 U8.21 26.99,57.22 27.18,57.4 ; U8.39 v2(20.04,62.72) ; P1.1 30.94,30.4 31.24,30.1 v1(31.24,29.97) ; v1(24.51,44.58) 25.05,44.58 25.35,44.88 P1.65 ; U7.10 v2(24.86,81.51) ; U26.4 45.66,27 45.34,26.67 42.55,26.67 41.15,28.07 41.15,31.11 40.01,32.26 v1(37.34,32.26) ; U8.15 v2(24.86,60.22) ; P1.11 25.35,29.51 v1(25.65,29.21) 25.85,29.41 P1.10 ; v1(45.85,23.75) R208.1 R207.1 ; U7.4 v2(24.86,84.51) ; U7.39 v2(20.04,81.51) ; U7.28 v2(20.04,76.01) ; U8.45 v2(20.04,65.72) ; U7.45 v2(20.04,84.51) ; v1(18.16,42.1) P1.46 ; U8.10 v2(24.86,62.72) ; P1.93 30.52,35.6 ; P1.32 v1(17.91,35.1) ; U7.15 v2(24.86,79.01) ; U7.34 v2(20.04,79.01) ; P1.79 30.54,42.6 29.84,41.91 ; U7.21 v2(24.86,76.01)
  BOTTOM w0.381: U18.2 v1(6.19,69.47) ; 45.85,67.82 44.55,67.82 v1(43.79,67.06) U19.2 ; v1(9.24,77.6) U13.2 ; v1(16.38,84.96) 16.99,84.36 C23.2 ; C27.2 v1(28.8,65.41) ; D19.2 v1(42.44,59.44) ; v1(9.24,79.25) 6.86,79.25 v1(6.19,78.58) 4.6,78.58 ; U20.2 v1(40.23,67.06) ; C26.2 v1(28.8,76.96) ; R134.1 v1(18.64,87.12) ; U9.2 v1(9.24,87.88) ; 22.85,46.99 22.47,47.37 v1(17.91,47.37) v1(17.91,51.18) v1(22.96,51.18) OSC3.2 v1(24.12,50.18) ; v1(16.26,65.28) 16.38,65.41 C29.2 ; v1(76.33,82.42) 75.81,81.91 U22.6 ; R5.2 v1(65.02,77.98) ; U1.6 60.57,81.91 v1(61.09,82.42) ; U10.2 v1(6.19,88.14) ; U12.2 v1(40.23,85.85) ; 45.85,86.49 44.42,86.49 v1(43.79,85.85) U11.2 ; R137.1 v1(18.64,68.32) ; v1(16.38,75.56) 16.38,75.72 C24.2 ; v1(2.67,50.8) 2.91,51.04 SW1.1 ; v1(26.8,27.81) v1(31.75,27.81) v1(31.75,24) v1(26.76,24) OSC1.2 v1(25.65,25.01) v1(25.65,27.05) ; 12.06,24.77 v1(12.83,24.77) ; v1(0.79,51.82) 0.79,51.82 ; U14.2 v1(6.19,77.09) ; R141.1 v1(18.64,73.4) ; R173.1 98.04,75.31 ; U17.2 9.24,69.75 v1(9.14,69.85) ; C76.1 R167.1 v1(95.5,81.92) ; v1(24.12,50.18) 24.47,50.18 C20.2 C19.2 ; v1(24.12,50.18) v1(24.12,48.9) ; R44.2 v1(12.79,15.24) ; C17.2 13.21,38.1 12.7,37.59 12.7,36.32 v1(13.21,35.81) ; R163.2 73.66,88.65 ; R162.2 v1(78.23,91.19) ; D18.2 7.03,62.74 7.41,62.36 v1(7.62,62.36) ; U16.2 v1(40.23,77.09) ; R164.2 v1(80.26,77.98) ; 45.85,77.72 44.42,77.72 v1(43.79,77.09) U15.2 ; v1(18.64,54.61) 18.64,53.85 R139.1 ; 4.73,70.96 v1(6.19,70.96) 6.48,71.25 v1(9.14,71.25) ; C16.2 v1(37.34,32.26) ; C25.2 27.43,57.66 27.18,57.4 ; OSC2.2 21.45,27.81 v1(21.08,27.81) v1(18.54,27.81) 17.53,26.8 v1(17.53,24) 23.5,24 24.13,24.64 v1(24.13,25.4) C18.2 ; C28.2 17.43,57.22 17.65,57.22 ; C8.2 61.47,91.19 ; R6.2 58.42,88.65 ; 29.84,41.91 29.72,41.78 29.72,40.51 ; v1(28.8,84.2) C22.2 ; C67.2 v1(76.71,91.19) ; R42.2 v1(15.33,15.24) ; C15.2 v1(12.19,35.81) ; R45.2 v1(11.52,15.24) ; R43.2 v1(14.06,15.24) ; R4.2 62.99,91.19
  BOTTOM w0.508: v1(14.22,48.01) 14.99,48.01 15.62,47.37 v1(17.91,47.37) ; J3.34 J3.33 16.23,57.66 C28.2
  vias: v1(0.79,97.54) v1(0.79,95) v1(0.79,92.46) v1(0.79,89.92) v1(0.79,87.38) v1(0.79,84.84) v1(0.79,82.3) v1(0.79,79.76) v1(0.79,77.22) v1(0.79,74.68) v1(0.79,72.14) v1(0.79,69.6) v1(0.79,67.06) v1(0.79,64.52) v1(0.79,61.98) v1(0.79,59.44) v1(0.79,56.9) v1(0.79,54.36) v1(0.79,49.28) v1(0.79,46.74) v1(0.79,44.2) v1(0.79,41.66) v1(0.79,39.12) v1(0.79,36.58) v1(0.79,34.04) v1(0.79,31.5) v1(0.79,28.96) v1(0.79,26.42) v1(0.79,23.88) v1(0.79,21.34) v1(0.79,18.8) v1(0.79,16.26) v1(0.79,13.72) v1(0.79,11.18) v1(0.79,8.64) v1(0.79,6.1) v1(0.79,3.56) v1(0.79,0.79) v1(2.7,99.21) v1(2.69,97.54) v1(2.69,95) v1(2.67,49.28) v1(2.67,48.26) v1(3.33,41.66) v1(3.33,39.12) v1(3.33,36.58) v1(3.33,21.34) v1(3.33,18.8) v1(3.33,16.26) v1(3.33,13.72) v1(3.33,11.18) v1(3.33,8.64) v1(3.33,6.1) v1(3.33,3.56) v1(3.33,0.79) v1(5.24,99.21) v1(5.87,39.12) v1(5.87,36.58) v1(5.87,21.34) v1(5.87,18.8) v1(6.1,89.92) v1(7.62,58.42) v1(7.78,99.21) v1(8.38,50.8) v1(8.38,48.9) v1(8.41,23.88) v1(8.41,21.34) v1(8.41,18.8) v1(9.14,89.92) v1(9.4,48.9) v1(10.32,99.21) v1(10.92,50.55) v1(10.92,49.66) v1(10.95,23.88) v1(10.95,21.34) v1(10.95,18.8) v1(11.68,50.55) v1(12.19,27.56) v1(12.86,99.21) v1(13.21,48.01) v1(13.21,44.7) v1(13.21,43.05) v1(13.21,27.56) v1(14.22,46.99) v1(14.22,44.7) v1(14.22,43.05) v1(15.24,4.95) v1(15.4,99.21) v1(16.03,3.33) v1(16.03,0.79) v1(17.94,99.21) v1(18.03,38.1) v1(18.29,15.88) v1(18.57,3.33) v1(18.57,0.79) v1(19.3,36.83) v1(20.19,21.21) v1(20.19,15.88) v1(20.48,99.21) v1(20.95,38.23) v1(21.11,3.33) v1(21.11,0.79) v1(23.02,99.21) v1(23.62,35.1) v1(23.62,21.34) v1(23.65,3.33) v1(23.65,0.79) v1(25.4,38.1) v1(25.56,99.21) v1(26.19,3.33) v1(26.19,0.79) v1(27.3,38.1) v1(27.3,35.1) v1(27.69,40.39) v1(27.94,21.21) v1(28.1,99.21) v1(28.73,3.33) v1(28.73,0.79) v1(29.84,38.1) v1(29.84,35.1) v1(30.64,99.21) v1(31.27,3.33) v1(31.27,0.79) v1(33.18,99.21) v1(33.81,3.33) v1(33.81,0.79) v1(35.72,99.21) v1(36.35,3.33) v1(36.35,0.79) v1(38.23,97.16) v1(38.26,99.21) v1(38.89,3.33) v1(38.89,0.79) v1(40.8,99.21) v1(41.43,3.33) v1(41.43,0.79) v1(43.34,99.21) v1(43.97,3.33) v1(43.97,0.79) v1(45.85,97.16) v1(45.88,99.21) v1(46.51,3.33) v1(46.51,0.79) v1(48.42,99.21) v1(49.05,3.33) v1(49.05,0.79) v1(49.4,46.23) v1(50.42,46.99) v1(50.42,46.23) v1(50.96,99.21) v1(51.59,3.33) v1(51.59,0.79) v1(53.5,99.21) v1(54.13,3.33) v1(54.13,0.79) v1(56.04,99.21) v1(56.67,0.79) v1(58.58,99.21) v1(58.8,84.2) v1(58.8,82.42) v1(59.21,0.79) v1(59.94,83.31) v1(60.6,62.96) v1(60.6,58.42) v1(60.72,8.49) v1(61.12,99.21) v1(61.09,84.2) v1(61.75,0.79) v1(62.59,60.96) v1(63.66,99.21) v1(64.29,0.79) v1(64.59,74.5) v1(64.59,71.5) v1(64.59,67.5) v1(64.59,58.42) v1(64.72,8.49) v1(64.72,4.49) v1(66.2,99.21) v1(66.72,6.49) v1(66.83,0.79) v1(68.74,99.21) v1(68.74,97.94) v1(68.74,93.98) v1(68.72,8.49) v1(68.72,4.49) v1(68.72,2.49) v1(70.72,6.49) v1(71.28,99.21) v1(71.28,95.96) v1(71.28,92) v1(71.26,2.49) v1(72.72,8.49) v1(72.72,4.49) v1(73.63,58.13) v1(73.82,99.21) v1(73.82,97.94) v1(73.82,93.98) v1(73.8,2.49) v1(74.04,84.2) v1(74.04,82.42) v1(74.72,6.49) v1(75.18,83.31) v1(76.33,84.2) v1(76.34,2.49) v1(76.36,99.21) v1(76.72,8.49) v1(76.72,4.49) v1(77.63,58.13) v1(78.72,6.49) v1(78.9,99.21) v1(78.9,97.94) v1(78.88,2.49) v1(80.72,8.49) v1(80.72,4.49) v1(81.44,99.21) v1(81.44,95.96) v1(81.44,92) v1(81.42,2.49) v1(82.72,6.49) v1(83.98,99.21) v1(83.98,97.94) v1(83.98,93.98) v1(83.96,2.49) v1(84.72,8.49) v1(84.72,4.49) v1(86.52,99.21) v1(86.52,95.96) v1(86.52,92) v1(86.5,2.49) v1(86.72,6.49) v1(88.72,8.49) v1(88.72,4.49) v1(89.04,2.49) v1(89.06,99.21) v1(89.06,97.94) v1(89.06,93.98) v1(89.41,64.26) v1(89.41,63.25) v1(90.42,64.26) v1(90.72,6.49) v1(91.6,99.21) v1(91.6,95.96) v1(91.58,2.49) v1(94.14,99.21) v1(94.14,97.94) v1(94.14,93.98) v1(94.12,2.49) v1(94.23,58.29) v1(94.23,57.15) v1(95.5,58.29) v1(95.5,57.15) v1(96.68,99.21) v1(96.66,2.49) v1(99.21,99.01) v1(99.21,96.47) v1(99.21,93.93) v1(99.21,91.39) v1(99.21,88.85) v1(99.21,86.31) v1(99.21,83.77) v1(99.21,81.23) v1(99.21,78.69) v1(99.21,76.15) v1(99.21,73.61) v1(99.21,71.07) v1(99.21,68.53) v1(99.21,65.99) v1(99.21,63.45) v1(99.21,60.91) v1(99.21,58.37) v1(99.21,55.83) v1(99.21,53.29) v1(99.21,50.75) v1(99.21,48.21) v1(99.21,45.67) v1(99.21,43.13) v1(99.21,40.59) v1(99.21,38.05) v1(99.21,35.51) v1(99.21,32.97) v1(99.21,30.43) v1(99.21,27.89) v1(99.21,25.35) v1(99.21,22.81) v1(99.21,20.27) v1(99.21,17.73) v1(99.21,15.19) v1(99.21,12.65) v1(99.21,10.11) v1(99.21,7.57) v1(99.21,5.03) v1(99.2,2.49)
VDD_1V8: length 42.6
  TOP w0.508: v1(24.13,26.42) 22.03,28.51 19.75,28.51 19.3,28.96 19.3,33.78 24.77,39.24 24.77,42.04 26.16,43.43 v1(26.16,47.75) 26.16,51.21 v1(25.91,51.47) v1(25.91,52.45)
  BOTTOM w0.305: 24.35,29.24 P1.13 ; 24.35,47.12 P1.63
  BOTTOM w0.381: 24.35,29.24 24.35,28.23 24.86,27.72 C18.1 v1(24.13,26.42)
  BOTTOM w0.508: 24.35,47.12 24.35,48.16 24.86,48.67 C20.1 C19.1 26.16,48.61 v1(26.16,47.75)
VDD_3V3: length 332.6
  TOP w0.305: v1(45.85,37.85) v1(46.86,37.85) v1(47.88,37.85) 48.39,37.85 48.77,38.23 v1(48.77,40.77) 49.15,41.15 49.15,44.58 47.69,46.04
  TOP w0.381: v1(65.02,81.92) 62.87,79.76 62.87,67.44 60.07,64.64 v1(59.82,64.64) ; v1(27.69,88.39) 28.57,88.39 29.59,87.38 29.59,83.98 v1(28.8,83.19) ; v1(16.22,83.19) 16.22,83.85 15.75,84.33 15.75,85.34 16.38,85.98 16.38,86.36 v1(17.17,87.14) ; v1(13.97,31.11) 14.73,30.35 14.73,23.75 v1(13.97,22.99) ; 48.77,24.64 v1(48.64,24.51) v1(42.67,24.51) 41.78,23.62 37.21,23.62 36.83,24 ; 45.73,37.85 v1(45.85,37.85) 45.47,37.47 v1(45.47,35.05) ; v1(19.56,48.77) 20.32,48.01 24.26,48.01 24.89,48.64 24.89,51.56 23.37,53.09 23.37,53.85 24.13,54.61 v1(25.53,54.61) ; v1(16.22,77.34) 16.22,76.29 15.75,75.82 15.75,74.93 16.13,74.55 16.13,66.06 15.6,65.53 15.6,65.01 v1(16.22,64.39)
  TOP w0.508: v1(16.22,77.34) v1(16.22,83.19) ; 29.59,87.38 29.97,87.76 35.43,87.76 ; v1(17.53,60.71) 16.22,62.01 v1(16.22,64.39) ; v1(28.8,83.19) v1(28.8,77.98) 29.59,77.18 29.59,65.18 v1(28.8,64.39) 28.03,63.63 v1(28.03,59.82)
  TOP w0.762: 30.23,23.62 29.59,22.99 v1(20.07,22.99) v1(19.05,22.99) v1(19.05,25.4) ; 30.23,23.62 30.86,22.99 35.81,22.99 42.04,29.21 42.04,40.39 58.8,57.15 v1(58.8,64.01) v1(58.8,65.02) v1(58.8,66.04) 58.8,67.31 52.7,73.41 52.7,85.72 50.16,88.27 38.23,88.27 37.72,87.76 35.43,87.76 ; 30.23,23.62 v1(30.23,26.42)
  BOTTOM w0.305: U8.18 27.15,58.72 ; U8.42 17.66,64.22 ; v1(42.67,24.51) R203.1 R206.1 ; U7.42 17.66,83.01 ; 17.79,77.51 U7.31 ; U8.7 27.24,64.22 ; R205.2 v1(48.64,24.51) ; U8.31 17.79,58.72 ; U7.18 27.15,77.51 ; FB2.1 v1(48.77,40.77) ; U7.7 27.24,83.01
  BOTTOM w0.381: R36.2 v1(30.23,26.42) 29.83,26.81 OSC1.4 ; 27.24,64.22 27.41,64.39 28.03,64.39 ; 16.99,64.39 17.49,64.39 17.66,64.22 ; v1(13.97,31.11) 13.23,31.85 D22.1 ; U26.13 45.66,34.6 45.47,34.8 v1(45.47,35.05) ; TP1.1 v1(58.8,66.04) ; 17.79,77.51 17.62,77.34 16.99,77.34 ; 17.66,83.01 17.49,83.19 C23.1 ; v1(25.53,54.61) 26.92,54.61 28.84,56.53 28.84,58.4 28.57,58.67 C25.1 27.19,58.67 27.15,58.72 ; OSC3.4 19.94,48.38 19.56,48.76 v1(19.56,48.77) R38.2 ; R201.1 v1(47.88,37.85) ; R204.1 v1(45.85,37.85) ; C22.1 27.41,83.19 27.24,83.01 ; C26.1 27.61,77.98 27.15,77.51 ; OSC2.4 19.43,25.01 19.05,25.39 v1(19.05,25.4) R37.2 ; R202.1 v1(46.86,37.85) ; C28.1 17.75,58.67 17.79,58.72 ; C3.1 R1.1 v1(65.02,81.92)
  BOTTOM w0.508: C22.1 v1(28.8,83.19) ; v1(17.53,60.71) 16.99,60.17 C28.1 ; 16.99,64.39 v1(16.22,64.39) ; v1(27.69,88.39) 27.05,89.03 17.91,89.03 17.17,88.29 v1(17.17,87.14) ; 16.13,22.35 16.76,22.99 v1(19.05,22.99) v1(20.07,22.99) ; 16.13,22.35 16.6,21.88 R35.1 R39.1 R40.1 R41.1 ; 16.13,22.35 15.49,22.99 v1(13.97,22.99) ; 28.03,64.39 v1(28.8,64.39) ; C25.1 v1(28.03,59.82) ; C23.1 v1(16.22,83.19) ; C26.1 v1(28.8,77.98) ; v1(16.22,77.34) 16.99,77.34
  vias: v1(59.82,65.66)
VDD_3V3_FPGA: length 58.7
  TOP w0.381: v1(34.67,32.13) 34.29,31.75 v1(26.54,31.75)
  TOP w0.508: v1(25.53,41.78) v1(26.42,41.78) 30.73,41.78 v1(30.86,41.91) 30.86,37.34 34.67,33.53 v1(34.67,32.89) v1(34.67,32.13)
  BOTTOM w0.305: P1.9 26.35,31.56 v1(26.54,31.75) ; v1(34.67,32.89) 34.42,33.15 34.42,33.78 33.1,35.1 P1.94 ; P1.80 31.05,42.1 v1(30.86,41.91) ; P1.59 22.35,44.7 22.23,44.58 22.23,44.2 21.84,43.81 21.84,43.05 ; 13.87,34.6 P1.31 ; 15.37,41.15 15.82,41.6 P1.45 17.84,41.6 18.03,41.4 18.29,41.4
  BOTTOM w0.381: 13.87,34.6 13.67,34.8 C15.1 ; C16.1 34.8,32.26 v1(34.67,32.13) v1(34.67,32.89) ; C17.1 13.84,40.77 14.1,41.02 15.24,41.02 15.37,41.15 ; 12.06,30.23 v1(12.83,30.23) ; 12.06,29.08 v1(12.83,29.08) ; 22.35,41.78 21.97,41.4 18.29,41.4
  BOTTOM w0.508: C17.1 12.06,40.77 ; 21.84,43.05 21.84,42.29 22.35,41.78 v1(25.53,41.78) v1(26.42,41.78) ; C15.1 13.21,33.78
  vias: v1(8.89,31.11) v1(9.91,27.56) v1(10.16,31.11) v1(10.92,27.56) v1(11.43,31.11)
VDD_5V_MAIN: length 128.6
  TOP w0.381: v1(87,38.99) 87,39.37 86.49,39.88 v1(81.92,39.88) ; v1(66.29,38.86) v1(66.29,53.98) 66.29,54.9 ; v1(49.91,44.07) 52.07,46.23 52.07,48.9 58.42,55.24 65.95,55.24 66.29,54.9 ; 66.29,54.9 66.62,55.23 86.63,55.23 87.12,54.74 v1(87.12,54.23)
  BOTTOM w0.305: U25.1 43.98,41.44 45.85,43.31 C88.2 ; v1(49.91,44.07) 50.16,43.81 50.16,40.45 48.96,39.24 FB1.1
  BOTTOM w0.381: R245.2 v1(66.29,38.86) 66.29,39.37 66.8,39.88 v1(81.92,39.88) ; R217.2 v1(66.29,53.98) ; R231.2 v1(87.12,54.23) ; R259.2 v1(87,38.99) ; 46.35,44.02 46.66,44.32 49.66,44.32 v1(49.91,44.07)
  BOTTOM w0.508: C88.2 46.35,45.47 40.64,51.18 38.73,51.18 37.08,52.83 30.99,52.83 29.97,53.85 29.97,58.04 30.48,58.55 J4.32
  vias: v1(21.97,57.78) v1(21.97,56.77) v1(24.13,57.78) v1(24.13,56.77)
